# Altium PCB MB1635.PcbDoc (part 1 of 10) (continued)
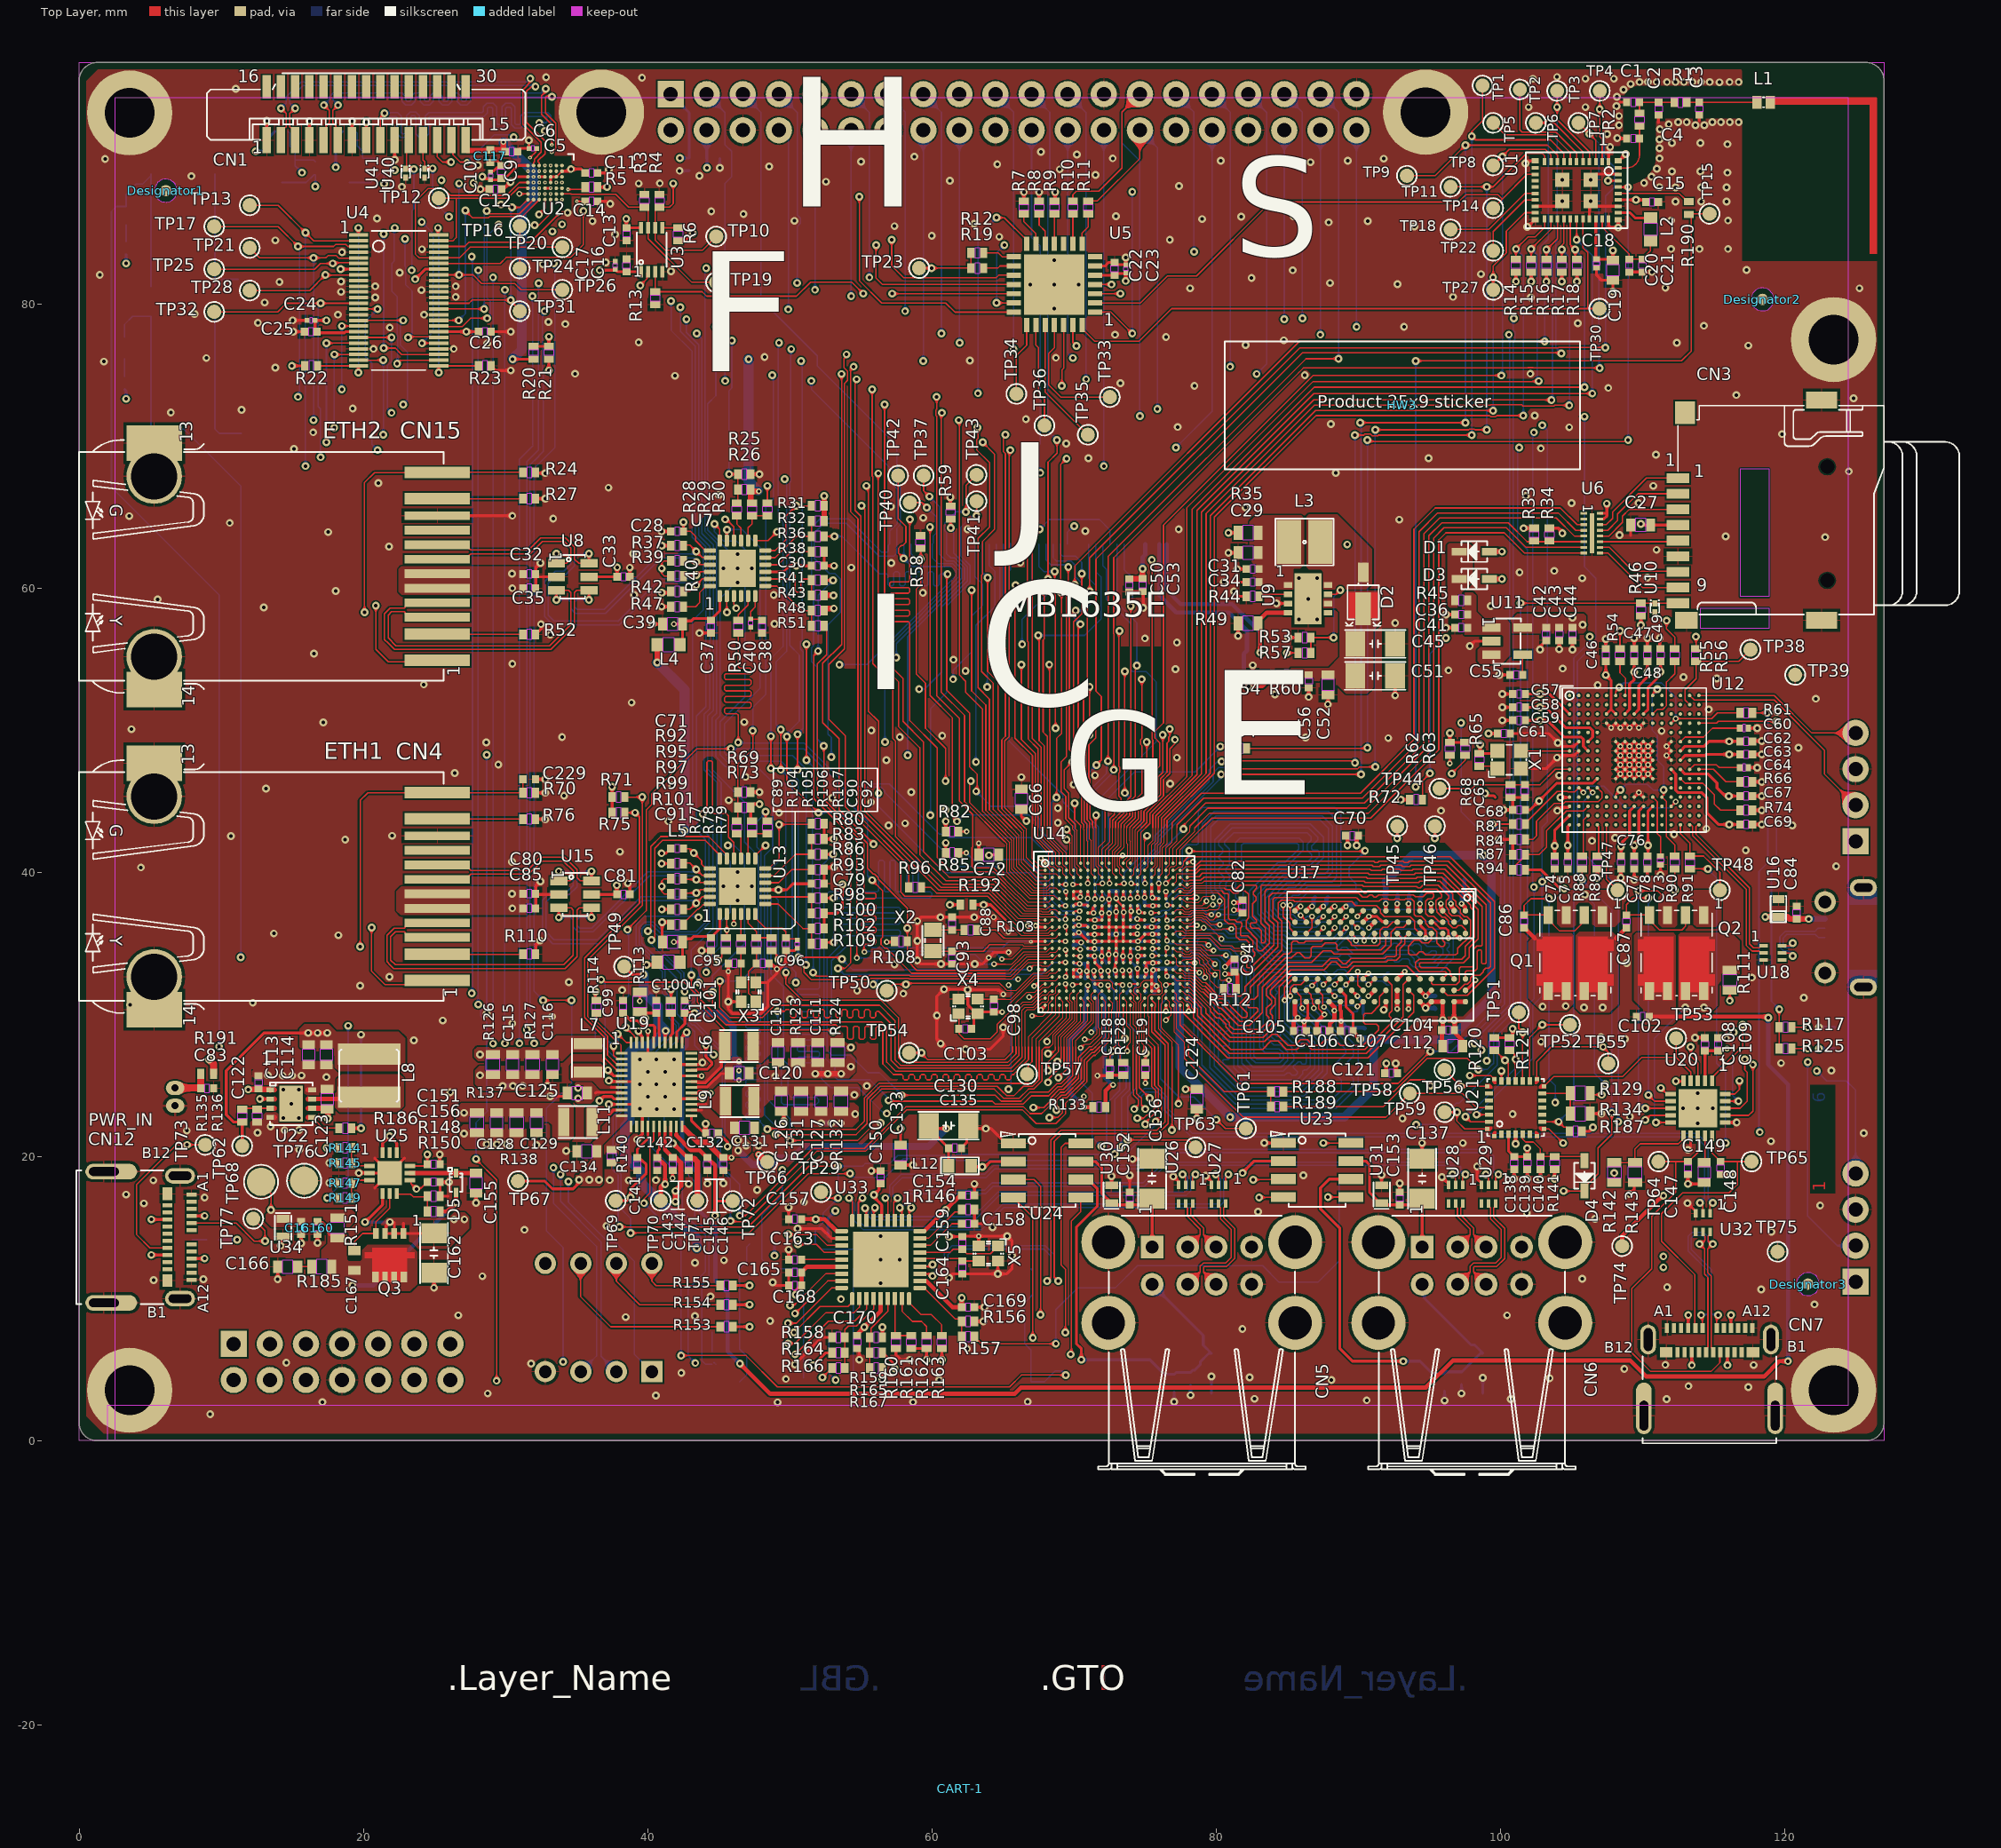
[diagram p0: Top Layer view]
## Components (designator, comment, footprint, x,y, rotation, side; value= is the part's Value field where it differs from the comment)
B1 "SW_PUSH_SMD" SWI_KNITTER_TSS644S 7.305,85.188 r270 bottom value=SW-PUSH-TSS644S
B2 "SW_PUSH_SMD" SWI_KNITTER_TSS644S 7.305,75.163 r270 bottom value=SW-PUSH-TSS644S
B3 "SW_PUSH_SMD" SWI_KNITTER_TSS644S 64.725,8.125 r270 bottom value=SW-PUSH-TSS644S
B4 "SW_PUSH_SMD" SWI_KNITTER_TSS644S 48.725,8.125 r90 bottom locked value=SW-PUSH-TSS644S
B5 "SW_PUSH_SMD" SWI_KNITTER_TSS644S 56.725,8.125 r270 bottom locked value=SW-PUSH-TSS644S
C1 "Capacitor" C0402#1 109.35,94.2 r0 top value=12pF
C2 "Capacitor" C0402#1 111.15,93.75 r90 top value=12pF
C3 "Capacitor" C0402#1 114,93.75 r90 top value=12pF
C4 "Capacitor" C0402#1 109.35,91.65 r0 top value=12pF
C5 "Capacitor" C0201_MURATA_GRM033_H0P3 31.925,90.95 r0 top value=1uF
C6 "Capacitor" C0402#1 30.425,90.725 r180 top value=1uF
C7 "Capacitor" C0402#1 42.925,89.825 r270 bottom value=100nF
C8 "Capacitor" C0402#1 44.625,90.225 r180 bottom value=100nF
C9 "Capacitor" C0402#1 29.7,89.3 r270 top value=100nF
C10 "Capacitor" C0201_MURATA_GRM033_H0P3 28.95,89.02 r270 top value=1uF
C11 "Capacitor" C0402#1 36.05,89.225 r180 top value=100nF
C12 "Capacitor" C0402#1 29.3,88.075 r0 top value=100nF
C13 "Capacitor" C0402#1 38.515,84.915 r90 top value=100nF
C14 "Capacitor" C0402#1 36.05,87.225 r180 top value=10nF
C15 "Capacitor" C0402#1 110.675,87.175 r180 top value=100nF
C16 "Capacitor" C0402#1 38.515,82.715 r270 top value=100nF
C17 "Capacitor" C0201_MURATA_GRM033_H0P3 37.715,82.715 r270 top value=1uF
C18 "Capacitor" C0201_H0P5 106.775,82.85 r90 top value=2.2uF
C19 "Capacitor" C0603 107.925,82.375 r90 top value=10uF
C20 "Capacitor" C0402#1 109.075,82.7 r90 top value=4.7uF
C21 "Capacitor" C0402#1 110,82.7 r90 top value=4.7uF
C22 "Capacitor" C0402#1 72.85,82.475 r270 top value=100nF
C23 "Capacitor" C0201_MURATA_GRM033_H0P3 73.65,82.475 r270 top value=1uF
C24 "Capacitor" C0201_MURATA_GRM033_H0P3 16.325,78.85 r0 top value=1uF
C25 "Capacitor" C0402#1 16.3,78.05 r0 top value=100nF
C26 "Capacitor" C0402#1 28.55,78.05 r180 top value=100nF
C27 "Capacitor" C0603 109.875,64.45 r0 top value=10uF
C28 "Capacitor" C0402#1 42.075,64 r0 top value=100nF
C29 "Capacitor" C0603 82.25,62.5 r180 top value=10uF
C30 "Capacitor" C0402#1 51.975,61.575 r180 top value=100nF
C31 "Capacitor" C0402#1 82.575,61.35 r0 top value=100nF
C32 "Capacitor" C0402#1 31.675,61 r180 top value=100nF
C33 "Capacitor" C0402#1 38.3,60.8 r0 top value=100nF
C34 "Capacitor" C0402#1 82.575,60.425 r0 top value=10nF
C35 "Capacitor" C0402#1 31.675,60 r180 top value=100nF
C36 "Capacitor" C0402#1 97.25,58.15 r180 top value=1uF
C37 "Capacitor" C0402#1 44.45,57.3 r90 top value=100nF
C38 "Capacitor" C0402#1 48.05,57.3 r90 top value=470pF
C39 "Capacitor" C0603 41.75,57.475 r180 top value=10uF
C40 "Capacitor" C0201_MURATA_GRM033_H0P3 47.25,57.55 r90 top value=1uF
C41 "Capacitor" C0402#1 97.25,57.225 r0 top value=100nF
C42 "Capacitor" C0402#1 103.225,56.775 r90 top value=4.7uF
C43 "Capacitor" C0402#1 104.15,56.775 r90 top value=1uF
C44 "Capacitor" C0402#1 105.075,56.775 r90 top value=100nF
C45 "Capacitor" C1206_H1P25 91.2,56.075 r180 top value=4.7uF
C46 "Capacitor" C0402#1 107.425,55.3 r270 top value=100nF
C47 "Capacitor" C0402#1 109.425,55.3 r270 top value=100nF
C48 "Capacitor" C0402#1 110.35,55.3 r270 top value=100nF
C49 "Capacitor" C0402#1 111.275,55.3 r270 top value=100nF
C50 "Capacitor" C0402#1 73.895,60.2 r270 top value=4.7uF
C51 "Capacitor" C1206_H1P25 91.2,53.825 r180 top value=4.7uF
C52 "Capacitor" C0603 87.875,53.2 r90 top value=100nF
C53 "Capacitor" C0402#1 74.825,60.225 r90 top value=100nF
C54 "Capacitor" C0402#1 83.025,53.9 r0 top value=10nF
C55 "Capacitor" C0402#1 101.125,53.9 r0 top value=10nF
C56 "Capacitor" C0402#1 86.525,53.45 r90 top value=33pF
C57 "Capacitor" C0402#1 101.325,52.55 r0 top value=100nF
C58 "Capacitor" C0402#1 101.325,51.625 r0 top value=100nF
C59 "Capacitor" C0402#1 101.325,50.7 r0 top value=100nF
C60 "Capacitor" C0201_H0P5 117.15,50.15 r180 top value=2.2uF
C61 "Capacitor" C0402#1 100.25,49.775 r180 top value=100nF
C62 "Capacitor" C0402#1 117.3,49.225 r180 top value=100nF
C63 "Capacitor" C0402#1 117.3,48.3 r180 top value=100nF
C64 "Capacitor" C0201_H0P5 117.15,47.375 r180 top value=2.2uF
C65 "Capacitor" C0402#1 101.725,45.725 r90 top value=100nF
C66 "Capacitor" C0603 66.3,45.15 r270 top value=22uF
C67 "Capacitor" C0402#1 117.3,45.375 r180 top value=100nF
C68 "Capacitor" C0402#1 101.325,44.4 r0 top value=100nF
C69 "Capacitor" C0402#1 117.3,43.375 r180 top value=100nF
C70 "Capacitor" C0402#1 89.575,42.575 r180 top value=100nF
C71 "Capacitor" C0402#1 42.075,41.675 r0 top value=100nF
C72 "Capacitor" C0603 64,41.25 r0 top value=22uF
C73 "Capacitor" C0201_H0P5 111.275,40.85 r90 top value=2.2uF
C74 "Capacitor" C0402#1 103.825,40.7 r90 top value=100nF
C75 "Capacitor" C0402#1 104.75,40.7 r90 top value=100nF
C76 "Capacitor" C0402#1 108.5,40.7 r90 top value=100nF
C77 "Capacitor" C0402#1 109.425,40.7 r90 top value=100nF
C78 "Capacitor" C0402#1 110.35,40.7 r90 top value=100nF
C79 "Capacitor" C0402#1 51.975,39.2 r180 top value=100nF
C80 "Capacitor" C0402#1 31.675,38.5 r180 top value=100nF
C81 "Capacitor" C0402#1 38.3,38.45 r0 top value=100nF
C82 "Capacitor" C0402#1 81.85,37.6 r270 top value=100nF
C83 "Capacitor" C0402#1 9,24.8 r180 top value=100nF
C84 "Capacitor" C0402#1 120.85,37.175 r270 top value=100pF
C85 "Capacitor" C0402#1 31.675,37.475 r180 top value=100nF
C86 "Capacitor" C0402#1 101.675,36.55 r270 top value=22pF
C87 "Capacitor" C0402#1 108.875,36.55 r270 top value=22pF
C88 "Capacitor" C0402#1 61.425,36.4 r90 top value=6.8pF
C89 "Capacitor" C0402#1 44.45,34.95 r90 top value=100nF
C90 "Capacitor" C0402#1 49.725,34.95 r90 top value=470pF
C91 "Capacitor" C0603 41.75,35.1 r180 top value=10uF
C92 "Capacitor" C0201_MURATA_GRM033_H0P3 50.525,34.95 r90 top value=1uF
C93 "Capacitor" C0402#1 61.425,34 r270 top value=6.8pF
C94 "Capacitor" C0402#1 81.3,33.45 r90 top value=100nF
C95 "Capacitor" C0402#1 46.125,33.6 r0 top value=6.8pF
C96 "Capacitor" C0402#1 48.1,33.6 r180 top value=6.8pF
C98 "Capacitor" C0402#1 64.375,30.625 r90 top value=6.8pF
C99 "Capacitor" C0402#1 38.275,30.55 r90 top value=4.7uF
C100 "Capacitor" C0402#1 40.625,30.55 r270 top value=4.7uF
C101 "Capacitor" C0402#1 42.625,30.55 r270 top value=4.7uF
C102 "Capacitor" C0402#1 110.025,29.85 r0 top value=100nF
C103 "Capacitor" C0402#1 62.35,29 r0 top value=6.8pF
C104 "Capacitor" C0402#1 96.325,28.9 r180 top value=100nF
C105 "Capacitor" C0402#1 85.9,28.85 r0 top value=100nF
C106 "Capacitor" C0402#1 87.55,28.85 r0 top value=100nF
C107 "Capacitor" C0402#1 89.2,28.85 r180 top value=100nF
C108 "Capacitor" C0402#1 114.4,27.9 r270 top value=100nF
C109 "Capacitor" C0402#1 115.325,27.9 r270 top value=4.7uF
C110 "Capacitor" C0603 49.175,27.325 r90 top value=22uF
C111 "Capacitor" C0603 51.975,27.325 r270 top value=22uF
C112 "Capacitor" C0603 96.65,27.775 r180 top value=10uF
C113 "Capacitor" C0603 16.15,27.175 r90 top value=22uF
C114 "Capacitor" C0603 17.4,27.175 r90 top value=22uF
C115 "Capacitor" C0603 30.5,26.475 r270 top value=22uF
C116 "Capacitor" C0603 33.3,26.475 r90 top value=22uF
C117 "Capacitor" C0402#2 28.925,90.4 r90 top value=10nF
C118 "Capacitor" C0402#1 72.525,26.175 r270 top value=100nF
C119 "Capacitor" C0402#1 75.025,26.175 r90 top value=100nF
C120 "Capacitor" C0603 46.45,25.875 r180 top value=10uF
C121 "Capacitor" C0402#1 92.325,25.875 r180 top value=100nF
C122 "Capacitor" C0402#1 12.625,25.225 r270 top value=1uF
C123 "Capacitor" C0603 17.45,24.05 r270 top value=10uF
C124 "Capacitor" C0603 78.65,24.05 r90 top value=22uF
C125 "Capacitor" C0603 35.05,24.475 r0 top value=10uF
C126 "Capacitor" C0603 49.4,23.9 r90 top value=22uF
C127 "Capacitor" C0603 52.2,23.9 r270 top value=22uF
C128 "Capacitor" C0603 29.375,22.375 r270 top value=22uF
C129 "Capacitor" C0603 32.175,22.375 r90 top value=22uF
C130 "Capacitor" C1206_H1P6 61.175,22.175 r180 top value=47uF
C131 "Capacitor" C0603 46.825,22.025 r180 top value=10uF
C132 "Capacitor" C0402#1 44.525,21.65 r180 top value=4.7uF
C133 "Capacitor" C0603 57.8,20.1 r90 top value=22uF
C134 "Capacitor" C0603 35.725,20.375 r0 top value=10uF
C135 "Capacitor" C0402#1 61.625,20.6 r180 top value=100nF
C136 "Capacitor" C1206_H1P6 75.5,18.45 r270 top value=220uF
C137 "Capacitor" C1206_H1P6 94.5,18.45 r270 top value=220uF
C138 "Capacitor" C0402#1 100.975,19.55 r90 top value=100nF
C139 "Capacitor" C0402#1 101.9,19.55 r90 top value=4.7uF
C140 "Capacitor" C0402#1 102.825,19.55 r90 top value=10nF
C141 "Capacitor" C0402#1 39.275,19.475 r90 top value=1uF
C142 "Capacitor" C0402#1 40.675,19.475 r90 top value=4.7uF
C143 "Capacitor" C0402#1 41.775,19.475 r90 top value=1uF
C144 "Capacitor" C0402#1 42.9,19.475 r90 top value=4.7uF
C145 "Capacitor" C0402#1 44.2,19.475 r90 top value=4.7uF
C146 "Capacitor" C0402#1 45.325,19.475 r90 top value=1uF
C147 "Capacitor" C0402#1 113.2,19.2 r90 top value=470pF
C148 "Capacitor" C0402#1 115.5,19.2 r90 top value=470pF
C149 "Capacitor" C0603 114.35,18.875 r90 top value=100nF
C150 "Capacitor" C0402#1 56.4,18.55 r270 top value=100nF
C151 "Capacitor" C0402#1 24.945,19.464 r180 top value=470pF
C152 "Capacitor" C0402#1 73.925,17.05 r270 top value=100nF
C153 "Capacitor" C0402#1 92.925,17.05 r270 top value=100nF
C154 "Capacitor" C0402#1 62.55,17.275 r180 top value=100nF
C155 "Capacitor" C0603 27.92,18.139 r270 top value=100nF
C156 "Capacitor" C0402#1 24.945,18.214 r180 top value=470pF
C157 "Capacitor" C0402#1 50.375,15.6 r0 top value=100nF
C158 "Capacitor" C0402#1 62.55,15.275 r180 top value=100nF
C159 "Capacitor" C0402#1 62.15,13.925 r270 top value=6.8pF
C160 "Capacitor" C0402#1 16.77,14.989 r270 top value=1uF
C161 "Capacitor" C0402#1 15.62,14.989 r90 top value=100pF
C162 "Capacitor" C1206_H1P6 24.97,13.214 r270 top value=220uF
C163 "Capacitor" C0402#1 50.375,12.75 r0 top value=100nF
C164 "Capacitor" C0402#1 62.15,12.2 r90 top value=6.8pF
C165 "Capacitor" C0402#1 50.375,11.85 r0 top value=100nF
C166 "Capacitor" C0603 14.675,12.25 r0 top value=4.7uF
C167 "Capacitor" C0603_H0P8 19.37,12.689 r270 top value=2.2nF
C168 "Capacitor" C0402#1 50.375,10.925 r0 top value=4.7uF
C169 "Capacitor" C0402#1 62.55,9.4 r180 top value=100nF
C170 "Capacitor" C0402#1 54.75,6.95 r90 top value=100nF
C171 "Capacitor" C0201_MURATA_GRM033_H0P3 75.7,40.275 r0 bottom value=1uF
C172 "Capacitor" C0603 96.775,39.5 r0 bottom value=10uF
C173 "Capacitor" C0201_MURATA_GRM033_H0P3 75.15,39.7 r180 bottom value=1uF
C174 "Capacitor" C0201_MURATA_GRM033_H0P3 70.75,38.754 r0 bottom value=1uF
C175 "Capacitor" C0201_MURATA_GRM033_H0P3 75.15,38.725 r180 bottom value=1nF
C176 "Capacitor" C0201_MURATA_GRM033_H0P3 73.375,38.675 r0 bottom value=1uF
C177 "Capacitor" C0201_MURATA_GRM033_H0P3 72.275,38.675 r0 bottom value=1uF
C178 "Capacitor" C0402#1 96.875,38.4 r0 bottom value=100nF
C179 "Capacitor" C0402#1 94.025,38.4 r180 bottom value=100nF
C180 "Capacitor" C0402#1 92.325,38.4 r0 bottom value=100nF
C181 "Capacitor" C0402#1 87.425,38.25 r180 bottom value=100nF
C182 "Capacitor" C0201_MURATA_GRM033_H0P3 76,37.925 r270 bottom value=1uF
C183 "Capacitor" C0201_MURATA_GRM033_H0P3 69.9,37.9 r270 bottom value=1uF
C184 "Capacitor" C0201_MURATA_GRM033_H0P3 74.825,37.675 r0 bottom value=1nF
C185 "Capacitor" C0201_MURATA_GRM033_H0P3 73.725,37.678 r180 bottom value=1uF
C186 "Capacitor" C0201_MURATA_GRM033_H0P3 72.3,37.625 r180 bottom value=1uF
C187 "Capacitor" C0201_MURATA_GRM033_H0P3 71.175,37.625 r180 bottom value=1uF
C188 "Capacitor" C0201_MURATA_GRM033_H0P3 74,36.525 r90 bottom value=1uF
C189 "Capacitor" C0201_MURATA_GRM033_H0P3 73.175,36.75 r180 bottom value=1uF
C190 "Capacitor" C0201_MURATA_GRM033_H0P3 71.925,36.475 r90 bottom value=1uF
C191 "Capacitor" C0201_MURATA_GRM033_H0P3 69.875,36.25 r270 bottom value=1uF
C192 "Capacitor" C0201_MURATA_GRM033_H0P3 76.05,36.225 r90 bottom value=1nF
C193 "Capacitor" C0201_MURATA_GRM033_H0P3 74.975,36 r90 bottom value=1nF
C194 "Capacitor" C0201_MURATA_GRM033_H0P3 70.975,35.975 r90 bottom value=1uF
C195 "Capacitor" C0201_MURATA_GRM033_H0P3 73.725,35.7 r180 bottom value=1uF
C196 "Capacitor" C0201_MURATA_GRM033_H0P3 72.2,35.65 r180 bottom value=1uF
C197 "Capacitor" C0201_MURATA_GRM033_H0P3 69.875,35.15 r270 bottom value=1uF
C198 "Capacitor" C0201_MURATA_GRM033_H0P3 76.05,35.125 r270 bottom value=1uF
C199 "Capacitor" C0201_MURATA_GRM033_H0P3 74.975,34.9 r270 bottom value=1uF
C200 "Capacitor" C0201_MURATA_GRM033_H0P3 74,34.875 r270 bottom value=1uF
C201 "Capacitor" C0201_MURATA_GRM033_H0P3 71,34.875 r270 bottom value=1uF
C202 "Capacitor" C0201_MURATA_GRM033_H0P3 71.9,34.825 r270 bottom value=1uF
C203 "Capacitor" C0201_MURATA_GRM033_H0P3 72.725,34.75 r0 bottom value=1uF
C204 "Capacitor" C0201_MURATA_GRM033_H0P3 74.975,33.8 r90 bottom value=1nF
C205 "Capacitor" C0201_MURATA_GRM033_H0P3 71,33.775 r270 bottom value=1uF
C206 "Capacitor" C0201_MURATA_GRM033_H0P3 76.05,33.475 r90 bottom value=1nF
C207 "Capacitor" C0201_MURATA_GRM033_H0P3 69.925,33.4 r270 bottom value=1uF
C208 "Capacitor" C0201_MURATA_GRM033_H0P3 73.225,33.6 r0 bottom value=1uF
C209 "Capacitor" C0201_MURATA_GRM033_H0P3 72,33.6 r0 bottom value=1uF
C210 "Capacitor" C0402#1 77.25,32.8 r90 bottom value=100nF
C211 "Capacitor" C0201_MURATA_GRM033_H0P3 75.475,32.65 r180 bottom value=1nF
C212 "Capacitor" C0201_MURATA_GRM033_H0P3 74.375,32.65 r0 bottom value=1uF
C213 "Capacitor" C0201_MURATA_GRM033_H0P3 73.275,32.65 r0 bottom value=1uF
C214 "Capacitor" C0201_MURATA_GRM033_H0P3 71.625,32.55 r0 bottom value=1uF
C215 "Capacitor" C0201_MURATA_GRM033_H0P3 70.525,32.55 r180 bottom value=1uF
C216 "Capacitor" C0201_H0P5 75.325,31.475 r0 bottom value=2.2uF
C217 "Capacitor" C0201_H0P5 74.025,31.475 r0 bottom value=2.2uF
C218 "Capacitor" C0402#1 95.45,30.9 r270 bottom value=100nF
C219 "Capacitor" C0201_MURATA_GRM033_H0P3 71.155,31.245 r0 bottom value=1uF
C220 "Capacitor" C0402#1 71.205,30.545 r180 bottom value=100nF
C221 "Capacitor" C0402#1 110.275,16.923 r0 bottom value=100pF
C222 "Capacitor" C1210 109.325,14.898 r0 bottom value=10uF
C223 "Capacitor" C0402#1 53.867,13.937 r270 bottom value=10nF
C224 "Capacitor" C1206_H1P6 98.775,4.75 r90 bottom value=220uF
C225 "Capacitor" C1206_H1P6 79.675,4.75 r90 bottom value=220uF
C226 "Capacitor" C0402#1 97.275,4.4 r90 bottom value=100nF
C227 "Capacitor" C0402#1 78.2,4.35 r90 bottom value=100nF
C228 "Capacitor" C0402#1 68.7,5.375 r270 bottom value=10nF
C229 "Capacitor" C0402#2 31.675,46.55 r180 top value=100pF
CART-1 "Comment" Sheetbox_6L2S 16.925,-29.775 r0 top
CN1 "Socket_FFC/FPC_1-1734248-5" CON_TE-CONNECTIVITY_1-1734248-5 20.2,93.4 r180 top
CN3 "MR01A-01211" CON_MICROSD_ATOM_MR01A-01211 127,65.5 r90 top value=Connector_uSD-Card_MR01A-01211
CN4 "RJ45_RTS-119A-12F6-GY-02" CON_RJ45_PHC_RMT-119A-12F6-GY-02 0,39 r270 top value=connector_RJ45_RMT-119A-12F6-GY-02
CN5 "USB_DUAL_TYPEA_5600-3081" CON_DUAL-USB-TYPE-A_CONEXCON_5600-3081 79,-2 r0 top value=USB_uA_5600-3081
CN6 "USB_DUAL_TYPEA_5600-3081" CON_DUAL-USB-TYPE-A_CONEXCON_5600-3081 98,-2 r0 top locked value=USB_uA_5600-3081
CN7 "USB_TYPE_C_Receptacle" CON_USB-TYPEC_MOLEX_2012670005 114.725,4.85 r0 top value=USB_C_2012670005
CN8 "Header 20x2" CON_SAMTEC_TSW-120-07-G-D 65.75,93.5 r0 bottom
CN9 "Header 4x1" CON_SAMTEC_TSW-104-07-G-S 125,46 r90 bottom
CN10 "USB_uB_105017.0001" CON_USBMICROB_MOLEX_105017-0001_H2P90 127,35.425 r270 bottom value=USB_uB_105017-0001
CN11 "Header 2x1" CON_MOLEX_53047-0210 6.75,24.2 r270 bottom
CN12 "USB_TYPE_C_Receptacle" CON_USB-TYPEC_MOLEX_2012670005 4.825,14.325 r270 top value=USB_C_2012670005
CN13 "Header 4x1" CON_SAMTEC_TSW-104-07-G-S 125,15 r90 bottom
CN14 "Header 7x2" CON_SAMTEC_TSW-107-07-X-D 18.5,5.55 r0 bottom value="Jumper_Header 7x2"
CN15 "RJ45_RTS-119A-12F6-GY-02" CON_RJ45_PHC_RMT-119A-12F6-GY-02 0,61.53 r270 top value=connector_RJ45_RMT-119A-12F6-GY-02
CN16 "5051104091" CON_MOLEX_5051104091 66.775,62 r180 bottom value=Socket_FFC/FPC_5051104091
D1 "BAT60JFILM" DIO_SOD323 98.175,62.575 r180 top
D2 "STPS1L40M" DIO_DO216-AA 90.35,59.6 r90 top
D3 "BAT60JFILM" DIO_SOD323 98.175,60.65 r180 top
D4 "BAT60JFILM" DIO_SOD323 105.925,18.65 r270 top
D5 "SCHOTTKY_1A_2K" DIO_SOD523_1A_2K 26.52,18.164 r90 top value=BAT54KFILM
Designator1 "Comment" MIRE_PLACE_SMD_0P8MM 6.1,87.975 r0 top
Designator2 "Comment" MIRE_PLACE_SMD_0P8MM 118.45,80.325 r0 top
Designator3 "Comment" MIRE_PLACE_SMD_0P8MM 121.65,11.025 r0 top
Designator4 "Comment" MIRE_PLACE_SMD_0P8MM 119.025,80.825 r180 bottom
Designator5 "Comment" MIRE_PLACE_SMD_0P8MM 5.875,20.5 r180 bottom
Designator6 "Comment" MIRE_PLACE_SMD_0P8MM 121.8,10.95 r180 bottom
HW2 "STICKER_BOARD" STICKER_BOARD_25X9 111.625,91.95 r180 bottom value="Sticker board"
HW3 "STICKER_PRODUCT" STICKER_PRODUCT_25X9 93.099,72.875 r0 top value="Sticker product"
L1 "Inductor" IND_0402_MURATA_LQW15AN2N4C00X 118.525,94.2 r0 top value=2.4nH
L2 "Inductor" L0603 110.575,85.25 r270 top value=2.2uH
L3 "Inductor" L1210_LQH 86.225,63.25 r0 top value=4.7uH
L4 "BEAD" L0603 41.475,56.025 r180 top value="600R @ 100MHz"
L5 "BEAD" L0603 41.475,33.675 r180 top value="600R @ 100MHz"
L6 "IND_1uH_42mohm_3.2A" IND_2520_TOKO_DFE252012P 46.425,27.775 r0 top value=1uH
L7 "IND_1uH_42mohm_3.2A" IND_2520_TOKO_DFE252012P 35.8,26.95 r90 top value=1uH
L8 "Inductor" IND_4025_WURTH_74404043022A 20.4,25.7 r90 top value=2.2uH
L9 "IND_1uH_42mohm_3.2A" IND_2520_TOKO_DFE252012P 46.475,23.9 r0 top value=1uH
L11 "IND_1uH_42mohm_3.2A" IND_2520_TOKO_DFE252012P 35.1,22.425 r180 top value=1uH
L12 "BEAD" FIL_0603_H0P65 61.975,19.35 r0 top value="26R @ 100Mhz"
LD1 "LED_green" LED_0603_GREEN 7.2,14.15 r180 bottom value=GREEN
LD2 "LED_red" LED_0603_RED 89.4,18.3 r0 bottom value=RED
LD3 "LED_blue" LED_0603_SMD-B_BLUE_H0P4 3.305,86.213 r90 bottom value=BLUE
LD4 "LED_red" LED_0603_RED 3.205,76.913 r90 bottom value=RED
LD5 "LD_BICOLOR_VCC" LED_BI-GR_CMD67-22 122.025,28.35 r90 bottom
LD6 "LED_orange" LED_0603_ORANGE_H0P4 44.525,8.425 r90 bottom value=ORANGE
LD7 "LED_green" LED_0603_GREEN 52.75,8.425 r90 bottom value=GREEN
Q1 "STL40DN3LLH5" PowerFLAT_5x6 105.275,34.325 r0 top
Q2 "STL40DN3LLH5" PowerFLAT_5x6 112.4,34.325 r0 top
Q3 "STL11N3LLH6" MOS_POWERFLAT_3P3X3P3_P065 21.845,13.064 r180 top
R1 "Resistor" R0402#1 112.675,94.2 r180 top value=0R
R2 "Resistor" R0402#1 109.8,92.975 r270 top value=0R
R3 "Resistor" R0402#1 39.765,87.265 r90 top value=10K
R4 "Resistor" R0402#1 40.84,87.265 r90 top value=10K
R5 "Resistor" R0402#1 36.05,88.225 r180 top value=10K
R6 "Resistor" R0402#1 42.14,84.915 r270 top value=10K
R7 "Resistor" R0402#1 66.475,86.8 r270 top value=10K
R8 "Resistor" R0402#1 67.55,86.8 r270 top value=10K
R9 "Resistor" R0402#1 68.625,86.8 r270 top value=10K
R10 "Resistor" R0402#1 69.925,86.8 r270 top value=0R
R11 "Resistor" R0402#1 71,86.8 r270 top value=0R
R12 "Resistor" R0402#1 63.2,83.6 r0 top value=0R
R13 "Resistor" R0402#1 40.54,80.415 r90 top value=4K7
R14 "Resistor" R0402#1 101.1,82.7 r90 top value=47K
R15 "Resistor" R0402#1 102.175,82.7 r90 top value=47K
R16 "Resistor" R0402#1 103.25,82.7 r90 top value=47K
R17 "Resistor" R0402#1 104.325,82.7 r90 top value=47K
R18 "Resistor" R0402#1 105.4,82.7 r90 top value=47K
R19 "Resistor" R0402#1 63.2,82.525 r0 top value=0R
R20 "Resistor" R0402#1 31.975,76.575 r270 top value=0R
R21 "Resistor" R0402#1 33.05,76.575 r270 top value=0R
R22 "Resistor" R0402#1 16.325,75.65 r180 top value=10K
R23 "Resistor" R0402#1 28.55,75.65 r0 top value=10K
R24 "Resistor" R0402#1 31.675,68.15 r180 top value=10K
R25 "Resistor" R0402#1 46.8,68.025 r0 top value=10K
R26 "Resistor" R0402#1 46.8,66.95 r0 top value=10K
R27 "Resistor" R0402#1 31.675,66.3 r180 top value=270R
R28 "Resistor" R0402#1 46.275,65.55 r270 top value=0R
R29 "Resistor" R0402#1 47.35,65.55 r90 top value=10K
R30 "Resistor" R0402#1 48.425,65.55 r270 top value=0R
R31 "Resistor" R0402#1 51.975,65.8 r0 top value=1K5
R32 "Resistor" R0402#1 51.975,64.725 r0 top value=10K
R33 "Resistor" R0402#1 102.375,63.775 r270 top value=10K
R34 "Resistor" R0402#1 103.45,63.775 r90 top value=10K
R35 "Resistor" R0603 82.25,63.9 r0 top value=0R
R36 "Resistor" R0402#1 51.975,63.65 r180 top value=33R
R37 "Resistor" R0402#1 42.075,63 r180 top value=49R9
R38 "Resistor" R0402#1 51.975,62.575 r0 top value=10K
R39 "Resistor" R0402#1 42.075,61.925 r180 top value=49R9
R40 "Resistor" R0402#1 42.075,60.85 r180 top value=49R9
R41 "Resistor" R0402#1 51.975,60.575 r180 top value=33R
R42 "Resistor" R0402#1 42.075,59.775 r180 top value=49R9
R43 "Resistor" R0402#1 51.975,59.5 r0 top value=10K
R44 "Resistor" R0402#1 82.575,59.425 r0 top value=100K
R45 "Resistor" R0402#1 97.25,59.15 r0 top value=0R
R46 "Resistor" R0402#1 109.9,58.5 r90 top value=100K
R47 "Resistor" R0402#1 42.075,58.7 r180 top value=12K1
R48 "Resistor" R0402#1 51.975,58.425 r0 top value=10K
R49 "Resistor" R0603 82.25,57.525 r0 top value=10R
R50 "Resistor" R0402#1 46.375,57.3 r90 top value=22R
R51 "Resistor" R0402#1 51.975,57.35 r180 top value=33R
R52 "Resistor" R0402#1 31.675,56.75 r180 top value=270R
R53 "Resistor" R0402#1 86.225,56.525 r0 top value=4K7
R54 "Resistor" R0402#1 108.425,55.3 r90 top value=0R
R55 "Resistor" R0402#1 112.275,55.3 r90 top value=0R
R56 "Resistor" R0402#1 113.775,55.3 r270 top value=0R
R57 "Resistor" R0402#1 86.225,55.45 r0 top value=0R
R58 "Resistor" R0402#1 59.2,63.25 r90 top value=4K7
R59 "Resistor" R0402#1 61.325,65.325 r270 top value=4K7
R60 "Resistor" R0402#1 84.95,53.9 r180 top value=0R
R61 "Resistor" R0402#1 117.3,51.225 r0 top value=0R
R62 "Resistor" R0402#1 96.45,48.7 r90 top value=2K4
R63 "Resistor" R0402#1 97.525,48.7 r90 top value=2K4
R64 "Resistor" R0402#1 81.7,48.725 r180 top value=0R
R65 "Resistor" R0402#1 98.525,47.925 r270 top value=10K
R66 "Resistor" R0402#1 117.3,46.375 r180 top value=3K
R68 "Resistor" R0402#1 100.725,45.725 r270 top value=0R
R69 "Resistor" R0402#1 46.8,45.65 r0 top value=10K
R70 "Resistor" R0402#1 31.675,45.6 r180 top value=10K
R71 "Resistor" R0402#1 37.95,45.3 r180 top value=1K5
R72 "Resistor" R0402#1 94.075,45.125 r180 top value=10K
R73 "Resistor" R0402#1 46.8,44.575 r0 top value=10K
R74 "Resistor" R0402#1 117.3,44.375 r180 top value=100R
R75 "Resistor" R0402#1 37.95,44.2 r180 top value=1K5
R76 "Resistor" R0402#1 31.675,43.75 r180 top value=270R
R77 "Resistor" R0402#1 46.275,43.175 r270 top value=0R
R78 "Resistor" R0402#1 47.35,43.175 r90 top value=10K
R79 "Resistor" R0402#1 48.425,43.175 r270 top value=33R
R80 "Resistor" R0402#1 51.975,43.425 r0 top value=1K5
R81 "Resistor" R0402#1 101.325,43.4 r180 top value=0R
R82 "Resistor" R0402#1 61.425,42.875 r180 top value=1K5
R83 "Resistor" R0402#1 51.975,42.35 r0 top value=10K
R84 "Resistor" R0402#1 101.325,42.325 r0 top value=10K
R85 "Resistor" R0402#1 61.425,41.375 r0 top value=0R
R86 "Resistor" R0402#1 51.975,41.275 r180 top value=33R
R87 "Resistor" R0402#1 101.325,41.25 r0 top value=4K7
R88 "Resistor" R0402#1 105.75,40.7 r270 top value=0R
R89 "Resistor" R0402#1 106.825,40.7 r90 top value=4K7
R90 "Resistor" R0402#1 112.275,40.7 r270 top value=0R
R91 "Resistor" R0402#1 113.35,40.7 r90 top value=0R
R92 "Resistor" R0402#1 42.075,40.625 r180 top value=49R9
R93 "Resistor" R0402#1 51.975,40.2 r0 top value=10K
R94 "Resistor" R0402#1 101.325,40.175 r0 top value=4K7
R95 "Resistor" R0402#1 42.075,39.55 r180 top value=49R9
R96 "Resistor" R0402#1 58.825,38.95 r180 top value=0R
R97 "Resistor" R0402#1 42.075,38.475 r180 top value=49R9
R98 "Resistor" R0402#1 51.975,38.2 r180 top value=33R
R99 "Resistor" R0402#1 42.075,37.4 r180 top value=49R9
R100 "Resistor" R0402#1 51.975,37.125 r0 top value=10K
R101 "Resistor" R0402#1 42.075,36.325 r180 top value=12K1
R102 "Resistor" R0402#1 51.975,36.05 r0 top value=10K
R103 "Resistor" R0402#1 62.725,35.95 r180 top value=0R
R104 "Resistor" R0402#1 45.5,34.95 r90 top value=0R
R105 "Resistor" R0402#1 46.575,34.95 r90 top value=0R
R106 "Resistor" R0402#1 47.65,34.95 r90 top value=0R
R107 "Resistor" R0402#1 48.725,34.95 r90 top value=22R
R108 "Resistor" R0402#1 57.825,35.15 r180 top value=1K5
R109 "Resistor" R0402#1 51.975,34.975 r180 top value=33R
R110 "Resistor" R0402#1 31.675,34.25 r180 top value=270R
R111 "Resistor" R0603 116.15,32.425 r90 top value=22mR
R112 "Resistor" R0402#1 80.975,31.8 r180 top value=240R
R113 "Resistor" R0603 39.45,30.875 r90 top value=100mR
R114 "Resistor" R0402#1 36.4,30.55 r270 top value=0R
R115 "Resistor" R0402#1 41.625,30.55 r270 top value=0R
R117 "Resistor" R0402#1 120.075,29.1 r180 top value=330R
R120 "Resistor" R0402#1 99.575,27.925 r90 top value=1K5
R121 "Resistor" R0402#1 100.65,27.925 r270 top value=1K5
R123 "Resistor" R0603 50.575,27.325 r270 top value=0R
R124 "Resistor" R0603 53.375,27.325 r270 top value=100mR
R125 "Resistor" R0402#1 120.075,27.6 r180 top value=330R
R126 "Resistor" R0603 29.1,26.475 r270 top value=50mR
R127 "Resistor" R0603 31.9,26.475 r270 top value=0R
R128 "Resistor" R0402#1 73.475,26.175 r270 top value=3K
R129 "Resistor" R0603 105.625,24.45 r0 top value=13K
R131 "Resistor" R0603 50.8,23.9 r270 top value=0R
R132 "Resistor" R0603 53.6,23.9 r270 top value=50mR
R133 "Resistor" R0402#1 71.775,23.475 r0 top value=0R
R134 "Resistor" R0603 105.625,23.025 r180 top value=2K
R135 "Resistor" R0402#1 11.475,22.875 r270 top value=75K
R136 "Resistor" R0402#1 12.525,22.875 r90 top value=24K
R137 "Resistor" R0603 27.975,22.375 r270 top value=100mR
R138 "Resistor" R0603 30.775,22.375 r270 top value=0R
R140 "Resistor" R0402#1 37.475,20.025 r90 top value=0R
R141 "Resistor" R0402#1 103.825,19.55 r270 top value=10K
R142 "Resistor" R0603 108.025,18.875 r270 top value=33K
R143 "Resistor" R0603 109.475,18.875 r90 top value=8K2
R144 "Resistor" R0402#1 18.72,20.614 r180 top value=47K
R145 "Resistor" R0402#1 18.72,19.539 r0 top value=5K1
R146 "Resistor" R0402#1 62.55,16.275 r180 top value=12K
R147 "Resistor" R0402#1 18.72,18.139 r0 top value=5K1
R148 "Resistor" R0402#1 24.945,17.214 r180 top value=2K4
R149 "Resistor" R0402#1 18.72,17.089 r180 top value=47K
R150 "Resistor" R0402#1 24.945,16.139 r0 top value=10K
R151 "Resistor" R0603 18.17,14.989 r270 top value=0R
R152 "Resistor" R0402#1 9.425,14.15 r0 bottom value=330R
R153 "Resistor" R0402#1 45.55,8.025 r0 top value=1K
R154 "Resistor" R0402#1 45.55,9.575 r0 top value=1K
R155 "Resistor" R0402#1 45.55,10.925 r0 top value=1K
R156 "Resistor" R0402#1 62.55,8.4 r180 top value=100K
R157 "Resistor" R0402#1 62.55,7.325 r180 top value=1K
R158 "Resistor" R0402#1 53.425,7.275 r0 top value=100K
R159 "Resistor" R0402#1 56.075,7.275 r180 top value=100K
R160 "Resistor" R0402#1 57.475,6.95 r90 top value=100K
R161 "Resistor" R0402#1 58.55,6.95 r270 top value=100K
R162 "Resistor" R0402#1 59.625,6.95 r90 top value=10K
R163 "Resistor" R0402#1 60.7,6.95 r270 top value=10K
R164 "Resistor" R0402#1 53.425,6.2 r180 top value=100K
R165 "Resistor" R0402#1 56.075,6.2 r0 top value=100K
R166 "Resistor" R0402#1 53.425,5.125 r0 top value=0R
R167 "Resistor" R0402#1 56.075,5.125 r180 top value=0R
R168 "Resistor" R0402#1 19,92.15 r180 bottom value=1K5
R169 "Resistor" R0402#1 14.25,92.15 r180 bottom value=1K5
R170 "Resistor" R0402#1 21.3,89.65 r270 bottom value=1K
R171 "Resistor" R0402#1 16.625,89.55 r270 bottom value=1K
R172 "Resistor" R0402#1 3.305,83.938 r270 bottom value=680R
R173 "Resistor" R0402#1 11.18,81.288 r270 bottom value=100R
R174 "Resistor" R0402#1 3.205,74.438 r270 bottom value=1K
R175 "Resistor" R0402#1 11.425,71.35 r90 bottom value=100R
R176 "Resistor" R0402#1 89.85,38.275 r90 bottom value=10K
R177 "Resistor" R0402#1 92.175,32.525 r90 bottom value=100R
R178 "Resistor" R0402#1 89.475,29.525 r90 bottom value=10K
R179 "Resistor" R0402#1 90.625,29.475 r90 bottom value=240R
R180 "Resistor" R0402#1 52.692,13.937 r90 bottom value=10K
R181 "Resistor" R0402#1 48.475,13.85 r0 bottom value=1K
R182 "Resistor" R0402#1 46.725,13.85 r180 bottom value=100R
R183 "Resistor" R0402#1 52.75,5.825 r90 bottom value=330R
R184 "Resistor" R0402#1 44.525,5.825 r90 bottom value=680R
R185 "Resistor" R0603 17.075,12.25 r0 top value=1R
R186 "Resistor" R0402#1 18.725,22 r0 top value=560R
R187 "Resistor" R0402#1 105.3,21.775 r0 top value=10K
R188 "Resistor" R0402#1 84.3,24.568 r180 top value=0R
R189 "Resistor" R0402#1 84.3,23.518 r180 top value=0R
R190 "Resistor" R0402#2 113.275,86.75 r90 top value=0R
R191 "Resistor" R0402#2 9,25.825 r180 top value=0R
R192 "Resistor" R0402#2 62.45,37.725 r180 top value=0R
SW1 "76SB04ST" SWI_GRAYHILL-INC_76SB04ST 36.55,8.675 r180 bottom
TP1 "Test Point" TP_SMD_1MM 98.75,95.375 r90 top
TP2 "Test Point" TP_SMD_1MM 101.375,95.1 r90 top
TP3 "Test Point" TP_SMD_1MM 104,95 r90 top
TP4 "Test Point" TP_SMD_1MM 107,95 r90 top
TP5 "Test Point" TP_SMD_1MM 99.5,92.75 r90 top
TP6 "Test Point" TP_SMD_1MM 102.5,92.75 r0 top
TP7 "Test Point" TP_SMD_1MM 105.5,92.75 r90 top
TP8 "Test Point" TP_SMD_1MM 99.5,89.75 r90 top
TP9 "Test Point" TP_SMD_1MM 93.425,89.025 r0 top
TP10 "Test Point" TP_SMD_1MM 44.823,84.75 r90 top
TP11 "Test Point" TP_SMD_1MM 96.5,88.25 r90 top
TP12 "Test Point" TP_SMD_1MM 25.3,87.45 r90 top
TP13 "Test Point" TP_SMD_1MM 12,86.95 r90 top
TP14 "Test Point" TP_SMD_1MM 99.5,86.75 r90 top
TP15 "Test Point" TP_SMD_1MM 114.725,86.35 r90 top
TP16 "Test Point" TP_SMD_1MM 31,85.5 r90 top
TP17 "Test Point" TP_SMD_1MM 9.5,85.45 r90 top
TP18 "Test Point" TP_SMD_1MM 96.5,85.25 r90 top
TP19 "Test Point" TP_SMD_1MM 44.823,81.525 r90 top
TP20 "Test Point" TP_SMD_1MM 34,84 r90 top
TP21 "Test Point" TP_SMD_1MM 12,83.95 r90 top
TP22 "Test Point" TP_SMD_1MM 99.5,83.75 r90 top
TP23 "Test Point" TP_SMD_1MM 59.1,82.525 r90 top
TP24 "Test Point" TP_SMD_1MM 31,82.5 r90 top
TP25 "Test Point" TP_SMD_1MM 9.5,82.45 r90 top
TP26 "Test Point" TP_SMD_1MM 34,81 r90 top
TP27 "Test Point" TP_SMD_1MM 99.5,81 r90 top
TP28 "Test Point" TP_SMD_1MM 12,80.95 r90 top
TP29 "Test Point" TP_SMD_1MM 52.2,17.5 r270 top
TP30 "Test Point" TP_SMD_1MM 106.975,79.675 r90 top
TP31 "Test Point" TP_SMD_1MM 31,79.5 r90 top
TP32 "Test Point" TP_SMD_1MM 9.5,79.45 r90 top
TP33 "Test Point" TP_SMD_1MM 72.525,73.45 r90 top
TP34 "Test Point" TP_SMD_1MM 65.95,73.675 r90 top
TP35 "Test Point" TP_SMD_1MM 70.975,70.8 r90 top
TP36 "Test Point" TP_SMD_1MM 67.925,71.45 r90 top
TP37 "Test Point" TP_SMD_1MM 59.425,67.925 r90 top
TP38 "Test Point" TP_SMD_1MM 117.6,55.675 r180 top
TP39 "Test Point" TP_SMD_1MM 120.75,53.9 r180 top
TP40 "Test Point" TP_SMD_1MM 58.45,66.025 r90 top
TP41 "Test Point" TP_SMD_1MM 63.145,66.125 r90 top
TP42 "Test Point" TP_SMD_1MM 57.625,67.925 r90 top
TP43 "Test Point" TP_SMD_1MM 63.145,67.975 r180 top
TP44 "Test Point" TP_SMD_1MM 95.725,45.9 r270 top
TP45 "Test Point" TP_SMD_1MM 92.75,43.25 r0 top
TP46 "Test Point" TP_SMD_1MM 95.4,43.25 r0 top
TP47 "Test Point" TP_SMD_1MM 108.25,38.75 r180 top
TP48 "Test Point" TP_SMD_1MM 115.45,38.75 r180 top
TP49 "Test Point" TP_SMD_1MM 38.35,33.375 r90 top
TP50 "Test Point" TP_SMD_1MM 56.825,31.675 r90 top
TP51 "Test Point" TP_SMD_1MM 101.3,30.15 r180 top
TP52 "Test Point" TP_SMD_1MM 104.9,29.275 r180 top
TP53 "Test Point" TP_SMD_1MM 112.375,28.325 r180 top
TP54 "Test Point" TP_SMD_1MM 58.4,27.3 r90 top
TP55 "Test Point" TP_SMD_1MM 107.6,26.55 r180 top
TP56 "Test Point" TP_SMD_1MM 96.075,26.1 r180 top
TP57 "Test Point" TP_SMD_1MM 66.7,25.8 r90 top
TP58 "Test Point" TP_SMD_1MM 93.625,24.45 r180 top
TP59 "Test Point" TP_SMD_1MM 96.075,23.125 r180 top
TP61 "Test Point" TP_SMD_1MM 82.1,21.975 r90 top
TP62 "Test Point" TP_SMD_1MM 11.475,20.75 r90 top
TP63 "Test Point" TP_SMD_1MM 78.55,20.65 r180 top
TP64 "Test Point" TP_SMD_1MM 111.125,19.65 r270 top
TP65 "Test Point" TP_SMD_1MM 117.675,19.65 r270 top
TP66 "Test Point" TP_SMD_1MM 48.425,19.625 r90 top
TP67 "Test Point" TP_SMD_1MM 30.875,18.275 r90 top
TP68 "Test Point" TP_SMD_2MM 12.8,18.225 r180 top
TP69 "Test Point" TP_SMD_1MM 37.75,16.9 r90 top
TP70 "Test Point" TP_SMD_1MM 40.925,16.9 r180 top
TP71 "Test Point" TP_SMD_1MM 43.5,16.9 r90 top
TP72 "Test Point" TP_SMD_1MM 45.987,16.875 r0 top
TP73 "Test Point" TP_SMD_1MM 8.875,20.825 r270 top
TP74 "Test Point" TP_SMD_1MM 108.575,13.7 r180 top
TP75 "Test Point" TP_SMD_1MM 119.511,13.303 r180 top
TP76 "Test Point" TP_SMD_2MM 15.825,18.3 r180 top
TP77 "Test Point" TP_SMD_1MM 12.25,15.625 r180 top
TR1 "BSN20" MOS_SOT23 19,89.65 r0 bottom value=FDV301N
TR2 "BSN20" MOS_SOT23 14.25,89.65 r0 bottom value=FDV301N
U1 "LBEE5KL1DX-883" MOD_WLAN-BT_MURATA_LBEE5KL1DX-883 105.375,88 r180 top value=LBEE5KL1DX-977
U2 "STMIPID02" ICC_VFBGA49_3X3_P040 32.775,88.55 r270 top value=STMIPID02/TR
U3 "SN74LVC2T45DCUT" ICC_VSSOP8_DCU_R-PDSO-G8_2X2P30_P050 40.29,83.815 r0 top
U4 "SN74AVC16T245" ICC_TVSOP48_9P8X6P6_P040 22.475,80.25 r270 top
U5 "MCP23017" ICC_QFN28-EPAD_6X6_P065 68.625,81.375 r90 top value=MCP23017T-E/ML
U6 "EMIF06-MSD02N16" ESD_UQFN16L-EPAD_3P5X1P2_P040 106.45,63.875 r270 top
U7 "LAN8742A-CZ-TR" ICC_VQFN24-EPAD_4X4_P050 46.325,61.4 r90 top
U8 "USBLC6-4SC6" ESD_SOT23-6L 34.725,60.8 r270 top
U9 "STLD40DPUR" ICC_QFN8-EPAD_3X3_P065 86.475,59.25 r270 top
U10 "ESD-TRANSIL" ESD_ST0201 110.875,58.625 r270 top value=ESDALC6V1-1U2
U11 "LD3985M33R" REG_SOT23-5L 100.475,56.275 r270 top